# Altium PCB Wireless_Controller_V1.1.PcbDoc
Units mil, origin at the board's own origin, x right, y up, seen from the top; angles counter-clockwise.
Board outline 6910 x 2495 mil, 2 copper layers (Top Layer, Bottom Layer); 62 components, 73 nets, 286 pads, 9 vias.
Unrouted connection lines stored in the file: 2.
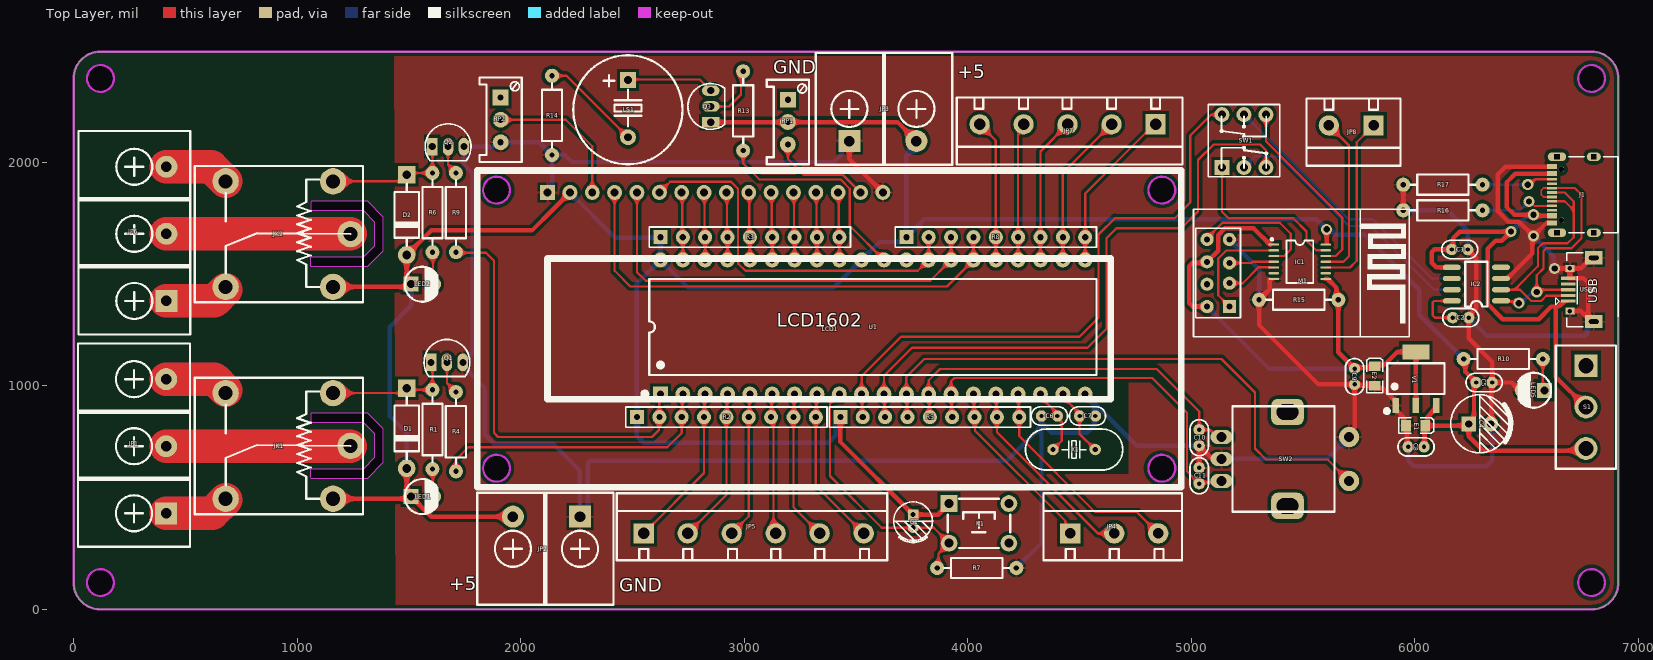
[diagram p0: Top Layer view]
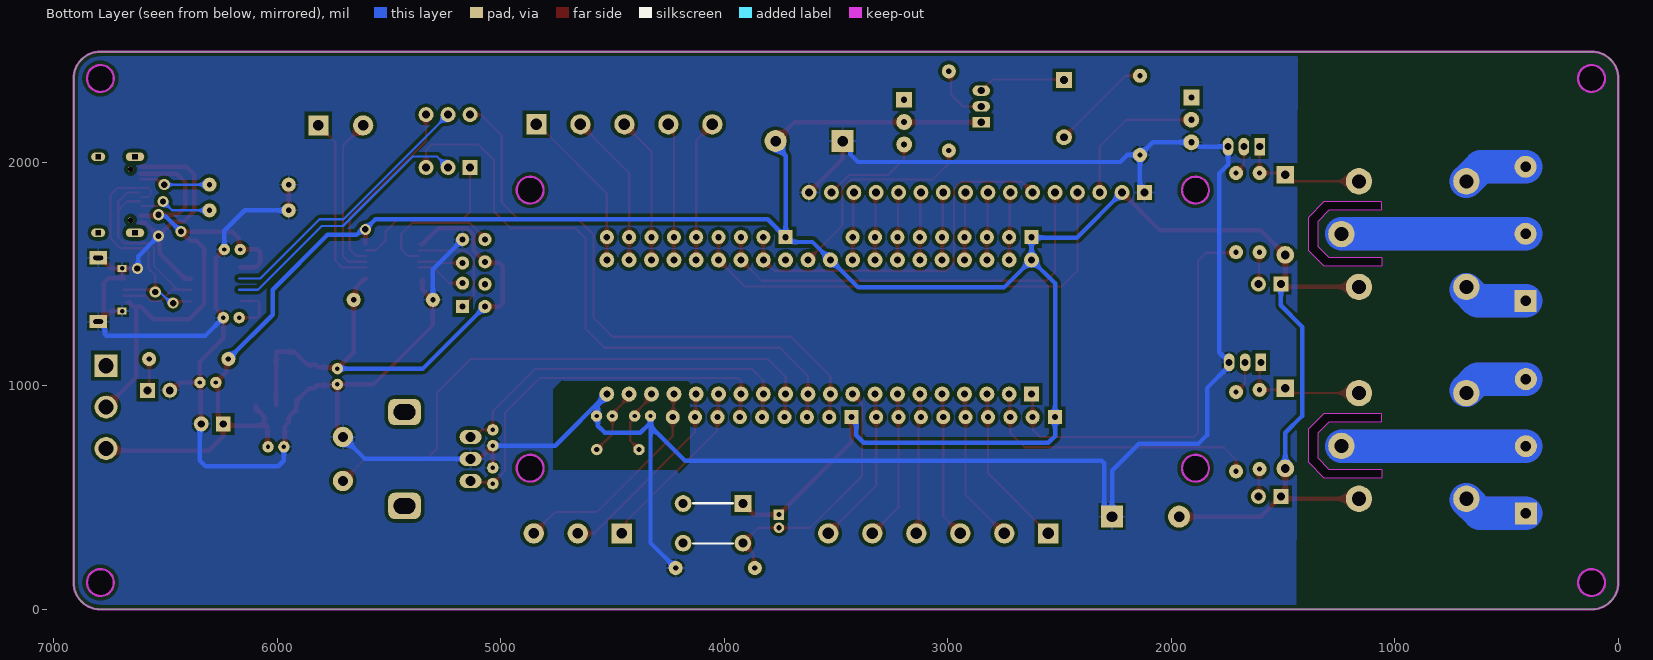
[diagram p1: Bottom Layer view, seen from below]

## Layer stack, top to bottom
Top Solder: solder mask 0.4, Solder Resist, Dk 3.5
Top Layer: signal copper 1.4
Dielectric 1: dielectric 12.6, FR-4, Dk 4.8
Bottom Layer: signal copper 1.4
Bottom Solder: solder mask 0.4, Solder Resist, Dk 3.5

## Board outline
0,120 0,2375 cw(c120,2375) 120,2495 6790,2495 cw(c6790,2375) 6910,2375 6910,120 cw(c6790,120) 6790,0 120,0 cw(c120,120)
cut-out: 4808.01,1875.71 ccw(c4868.01,1875.71) 4868.01,1815.71 ccw(c4868.01,1875.71) 4928.01,1875.71 ccw(c4868.01,1875.71) 4868.01,1935.71 ccw(c4868.01,1875.71)
cut-out: 4808.01,631.61 ccw(c4868.01,631.61) 4868.01,571.61 ccw(c4868.01,631.61) 4928.01,631.61 ccw(c4868.01,631.61) 4868.01,691.61 ccw(c4868.01,631.61)
cut-out: 1831.61,631.61 ccw(c1891.61,631.61) 1891.61,571.61 ccw(c1891.61,631.61) 1951.61,631.61 ccw(c1891.61,631.61) 1891.61,691.61 ccw(c1891.61,631.61)
cut-out: 1831.61,1875.71 ccw(c1891.61,1875.71) 1891.61,1815.71 ccw(c1891.61,1875.71) 1951.61,1875.71 ccw(c1891.61,1875.71) 1891.61,1935.71 ccw(c1891.61,1875.71)
cut-out: 60,120 ccw(c120,120) 120,60 ccw(c120,120) 180,120 ccw(c120,120) 120,180 ccw(c120,120)
cut-out: 120,2315 cw(c120,2375) 60,2375 cw(c120,2375) 120,2435 cw(c120,2375) 180,2375 cw(c120,2375)
cut-out: 6730,120 ccw(c6790,120) 6790,60 ccw(c6790,120) 6850,120 ccw(c6790,120) 6790,180 ccw(c6790,120)
cut-out: 6730,2375 ccw(c6790,2375) 6790,2315 ccw(c6790,2375) 6850,2375 ccw(c6790,2375) 6790,2435 ccw(c6790,2375)
cut-out: 1057.5,590.37 1060.43,587.44 1315,587.44 1385,657.44 1385,807.44 1315,877.44 1062.93,877.44 1060,874.51 1060,840.37 1062.93,837.44 1295,837.44 1345,787.44 1345,677.44 1295,627.44 1060.43,627.44 1057.5,624.51
cut-out: 1057.5,1537.93 1060.43,1535 1315,1535 1385,1605 1385,1755 1315,1825 1062.93,1825 1060,1822.07 1060,1787.93 1062.93,1785 1295,1785 1345,1735 1345,1625 1295,1575 1060.43,1575 1057.5,1572.07

## Design rules (kind name [scope] priority, off if disabled: settings)
Clearance Polygon [InPolygon] p1: gap=15 ignorepadtopadclearanceinfootprint=FALSE
Clearance [All] p2: gap=10 ignorepadtopadclearanceinfootprint=FALSE
PolygonConnect IsVia [IsVia] p1: connectstyle=Direct reliefconductorwidth=10 reliefentries=4 polygonreliefangle="90 Angle" airgapwidth=10
PolygonConnect [All] p2: connectstyle=Relief reliefconductorwidth=10 reliefentries=4 polygonreliefangle="90 Angle" airgapwidth=10
RoutingVias [All] p1: holewidth=28 width=50 viastyle="Through Hole" minholewidth=28 minwidth=50 maxholewidth=28 maxwidth=50
SolderMaskExpansion [All] p1: expansion=2.5 istentingtop=FALSE
Width Power [InNetClass('Power')] p1: maxlimit=60 minlimit=15 preferedwidth=20
Width [All] p2: maxlimit=10 minlimit=6 preferedwidth=10
30 further rules are at their usual default settings.

## Classes and differential pairs
net class Power: 3.3V +5 GND USB+

## Components (designator, comment, footprint, x,y, rotation, side; value= is the part's Value field where it differs from the comment)
C1 "10uF" "CAP 1.5*4*8" 3755,394.53 r270 top
C2 "104" "CC 1.8*3.6" 6205,1305 r180 top
C3 "104" "CC 1.8*3.6" 6200.43,1610 r180 top
C4 "470uF" "CAP 2.5*6.3*11.2 - BK" 6290,830 r0 top
C5 "104" "CC 1.8*3.6" 6309.57,1015 r180 top
C6 "22pf" "CC 1.8*3.6" 4365,865 r0 top
C7 "22pf" "CC 1.8*3.6" 4535.43,865 r180 top
C8 "104" "CC 1.8*3.6" 6005,727.17 r0 top
C9 "104" "CC 1.8*3.6" 5730,1041.73 r90 top
C10 "104" "CC 1.8*3.6" 5035,767.83 r90 top
C11 "104" "CC 1.8*3.6" 5035,597.83 r270 top
D1 "1N4007" DO-41 1490,810 r270 top
D2 "1N4007" DO-41 1490,1765 r270 top
E1 "10uF/6.3V" "CD S(2012)" 6003.31,822.17 r180 top
E2 "10uF/6.3V" "CD S(2012)" 5820,1043.86 r270 top
IC1 "TXS0104E" TSSOP14_L 5485,1555 r0 top
IC2 "CH340N_SOP8" SOP8 6384,1379 r180 top
J1 "Type-C" Type-C_16pin 6635.43,1854.92 r90 top
JK1 "SRD-05VDC-SL-C" SRD-C_B 1160.31,495 r180 top
JK2 "SRD-05VDC-SL-C" SRD-C_B 1160.31,1442.56 r180 top
JP1 "HDR-1X3" KF7620-3P 270,730 r90 top
JP2 "HDR-1X2" KF7620-2P 2115,271.3 r180 top
JP3 "HDR-1X2" KF7620-2P 3620,2238.7 r0 top
JP4 "HDR-1X3" KF301-5.0-3P 4655,340 r0 top
JP5 "HDR-1X6" KF301-5.0-6P 3042.13,340 r0 top
JP6 "HDR-1X3" KF7620-3P 271.3,1680 r90 top
JP7 "HDR-1X5" KF301-5.0-5P 4446.3,2170 r180 top
JP8 "HDR-1X2" KF301-5.0-2P 5615,2165 r180 top
K1 "KEY" "TSW DIP-6*6*5" 4050,385 r0 top
LCD1 "LCD1602" LCD-1602 2120,1865 r0 top
LED1 "红色" "LED 3MM-R" 1560,505 r0 top
LED2 "红色" "LED 3MM-R" 1560,1455 r0 top
LED5 "红色" "LED 3MM-R" 6530,980 r180 top
LS1 "BUZZ" "BEEP 6.5x12x8.5" 2480,2240 r180 top
M1 "ESP-01&01S Module" "ESP-01&01S Module" 5120,1504.72 r270 top
Q1 "SS8550" TO92A 1670,1105 r270 top
Q2 "SS8550" TO92A 1675,2070 r270 top
Q3 "SS8550" TO92A 2850,2250 r0 top
R1 "470" "RS 1/4W" 1605,805 r90 top
R2 "103" "R SIP9-2.54" 2920,860 r0 top
R3 "103" "R SIP9-2.54" 3025,1665 r0 top
R4 "470" "RS 1/4W" 1710,795 r270 top
R5 "103" "R SIP9-2.54" 3830,860 r0 top
R6 "470" "RS 1/4W" 1605,1775 r90 top
R7 "1k" "RS 1/4W" 4040,185 r0 top
R8 "103" "R SIP9-2.54" 4125,1665 r0 top
R9 "470" "RS 1/4W" 1710,1775 r270 top
R10 "470" "RS 1/4W" 6395,1120 r180 top
R13 "1k" "RS 1/4W" 2995,2230 r270 top
R14 "1k" "RS 1/4W" 2140,2210 r270 top
R15 "10K" "RS 1/4W" 5480,1385 r0 top
R16 "5.1K" "RS 1/4W" 6125,1785 r180 top
R17 "5.1K" "RS 1/4W" 6125,1900 r180 top
RP1 "10K" 3296W 3195,2180 r270 top
RP2 "10K" 3296W 1910,2190 r270 top
S1 "SS-12F23" SS-12D10 6765,904.96 r270 top
SW1 "KET 8X8" "KFT DIP-8X8" 5235,2095 r0 top
SW2 "EC11" EC11 5420,672.83 r180 top
U1 "STC89C52RC" DIP40-600_MH 3575,1263.27 r90 top
USB1 "USB-5P" USB-MICRO_A 6800,1430 r90 top
V1 "AMS1117-3V3" SOT223_L 6004.45,1032.17 r0 top
X1 "11.0592MHz" "OSC HC-49S" 4475.51,715 r0 top

## Footprints (in the part's own frame and the unit in brackets; to place one, negate y for a bottom-side part, rotate by r counter-clockwise, add the part's x,y. Pads: shape width x height; smd on the part's side, far side on the other; paste and mask are expansions set on the pad)
3296W [mm] "Precise Multi-Winding Adjustable Resistor"
  rect 1.8x1.8 hole 0.7: 1(-2.54,0)
  round 1.8 hole 0.7: 2(0,0) 3(2.54,0)
  silkscreen extent -4.8,-2.4 4.8,2.4, body extent -4.75,-2.4 4.75,2.4, height 11.52
"BEEP 6.5x12x8.5" [mm] "6.5*12*8.5mm(脚距,直径,高度)"
  rect 1.8x1.8 hole 0.9: 1(0,-3.25)
  round 1.8 hole 0.9: 2(0,3.25)
  silkscreen extent -6.18,-6.07 6.22,6.32, body extent -6,-6 6,6, height 8.55
"CAP 1.5*4*8" [mm] "脚距1.5mm直径4mm高度8mm https://item.taobao.com/item.htm?ft=t&id=613637044352"
  rect 1.2x1.2 hole 0.6: 1(-0.75,0)
  round 1.2 hole 0.6: 2(0.75,0)
  silkscreen extent -2.2,-2.2 2.41,2.2, body extent -2,-2 2.02,2, height 8.04
"CAP 2.5*6.3*11.2 - BK" [mm] "脚距2.5mm直径6.3mm高度11.2mm https://item.taobao.com/item.htm?ft=t&id=613637044352"
  rect 1.7x1.7 hole 0.8: 1(-1.25,0)
  round 1.7 hole 0.8: 2(1.25,0)
  silkscreen extent -3.3,-3.3 3.56,3.3, body extent -3.15,-3.15 3.16,3.15, height 11.24
"CC 1.8*3.6" [mm] "脚距1.8mm直径3.6mm"
  round 1.3 hole 0.5: 1(-0.9,0) 2(0.9,0)
  silkscreen extent -2.05,-1.04 2.05,1.04, body extent -1.8,-0.8 1.8,0.8, height 3.6
"CD S(2012)" [mm] "长2.0mm，宽1.25mm，厚1.2mm https://item.taobao.com/item.htm?ft=t&id=613637044352"
  rect 1.1x1.3 smd: 1(-1.1,0) 2(1.1,0)
  silkscreen extent -2.03,-0.89 1.9,0.89, body extent -1,-0.6 1,0.6, height 1.2
DIP40-600_MH [mm] "带底座 52*15.2*4mm(长宽高)"
  rect 1.7x1.7 hole 0.8: 1(-7.62,24.13)
  round 1.7 hole 0.8: 2(-7.62,21.59) 3(-7.62,19.05) 4(-7.62,16.51) 5(-7.62,13.97) 6(-7.62,11.43) 7(-7.62,8.89) 8(-7.62,6.35) 9(-7.62,3.81) 10(-7.62,1.27) 11(-7.62,-1.27) 12(-7.62,-3.81) 13(-7.62,-6.35) 14(-7.62,-8.89) 15(-7.62,-11.43) 16(-7.62,-13.97) 17(-7.62,-16.51) 18(-7.62,-19.05) 19(-7.62,-21.59) 20(-7.62,-24.13) 21(7.62,-24.13) 22(7.62,-21.59) 23(7.62,-19.05) 24(7.62,-16.51) 25(7.62,-13.97) 26(7.62,-11.43) 27(7.62,-8.89) 28(7.62,-6.35) 29(7.62,-3.81) 30(7.62,-1.27) 31(7.62,1.27) 32(7.62,3.81) 33(7.62,6.35) 34(7.62,8.89) 35(7.62,11.43) 36(7.62,13.97) 37(7.62,16.51) 38(7.62,19.05) 39(7.62,21.59) 40(7.62,24.13)
  silkscreen extent -7.87,-25.4 5.46,26.16, body extent -8.9,-26.18 8.9,26.18, height 8.3
DO-41 [mm] "2.6*9.1mm(直径，脚距）"
  rect 2x2 hole 1: 1(-4.55,0)
  round 2 hole 1: 2(4.55,0)
  silkscreen extent -3.56,-1.4 3.56,1.4, body extent -4.92,-1.29 4.98,1.31, height 2.65
EC11 [mm] "数字开关编码器"
  rrect50% 3.7x3 hole 1.8 slot 2.5 at 0 deg: 0(-0.254,5.334) 0(-0.254,-5.334)
  round 2.3 hole 1.1: 1(-7.25,2.5) 2(-7.25,-2.5)
  oval 2.5x1.6 hole 1.1: A(7.25,-2.5) B(7.25,2.5) C(7.25,0)
  silkscreen extent -5.59,-6 6,6, body extent -7.35,-6.24 7.45,6.24, height 22
"ESP-01&01S Module" [mm]
  rect 1.5x1.5 hole 0.7: 1(3.81,1.27)
  round 1.5 hole 0.7: 2(1.15,1.27) 3(-1.15,1.27) 4(-3.81,1.27) 5(3.81,-1.27) 6(1.27,-1.27) 7(-1.27,-1.27) 8(-3.81,-1.27)
  silkscreen extent -7.25,-2.79 7.25,21.71
KF301-5.0-2P [mm] "可拼接端子/6A"
  rect 2.3x2.3 hole 1.2: 1(-5.08,0)
  round 2.3 hole 1.2: 2(0,0)
  silkscreen extent -8.13,-3.05 2.54,4.57, body extent -7.95,-3 2.55,4.6, height 10.05
KF301-5.0-3P [mm] "可拼接端子/6A"
  rect 2.3x2.3 hole 1.2: 1(-5,0)
  round 2.3 hole 1.2: 2(0,0) 3(5,0)
  silkscreen extent -8.05,-3.05 7.7,4.57, body extent -7.87,-3 7.63,4.6, height 10.05
KF301-5.0-5P [mm] "可拼接端子/6A"
  rect 2.3x2.3 hole 1.3: 1(-10,0)
  round 2.3 hole 1.3: 2(-5,0) 3(0,0) 4(5,0) 5(10,0)
  silkscreen extent -13.05,-3.05 12.61,4.57, body extent -12.87,-3 12.55,4.6, height 10.05
KF301-5.0-6P [mm] "可拼接端子/6A"
  rect 2.3x2.3 hole 1.3: 1(-12.5,0)
  round 2.3 hole 1.3: 2(-7.5,0) 3(-2.5,0) 4(2.5,0) 5(7.5,0) 6(12.5,0)
  silkscreen extent -15.55,-3.05 15.19,4.57, body extent -15.37,-3 15.13,4.6, height 10.05
KF7620-2P [mm] "15.2*12*12mm(长宽高)"
  rect 2.5x2.5 hole 1.2: 1(-3.81,-3.65)
  round 2.5 hole 1.2: 2(3.81,-3.65)
  silkscreen extent -7.62,-6.35 7.87,6.35, body extent -7.62,-6.2 8.32,6.2, height 12.45
KF7620-3P [mm] "22.8*12*12mm(长宽高)"
  rect 2.5x2.5 hole 1.2: 1(-7.62,-3.65)
  round 2.5 hole 1.2: 2(0,-3.65) 3(7.62,-3.65)
  silkscreen extent -11.43,-6.35 11.68,6.35, body extent -11.43,-6.2 12.13,6.2, height 12.45
"KFT DIP-8X8" [mm] "自锁开关，规格：8*8mm"
  rect 1.7x1.7 hole 0.9: 1(-2.5,-3)
  round 1.7 hole 0.9: 2(0,-3) 3(2.5,-3) 4(2.5,3) 5(0,3) 6(-2.5,3)
  silkscreen extent -4.06,-4.06 4.06,4.15, body extent -3.95,-3.95 4.05,4.05, height 13.1
LCD-1602 [mm] "LCD module 16*2 char"
  rect 1.7x1.7 hole 0.9: 1(0,0)
  round 1.7 hole 0.9: 2(2.54,0) 3(5.08,0) 4(7.62,0) 5(10.16,0) 6(12.7,0) 7(15.24,0) 8(17.78,0) 9(20.32,0) 10(22.86,0) 11(25.4,0) 12(27.94,0) 13(30.48,0) 14(33.02,0) 15(35.56,0) 16(38.1,0)
  silkscreen extent -8,-33.5 72,2.5, body extent -8.15,-33.11 71.85,1.89, height 9
"LED 3MM-R" [mm] "红色3mm直插LED   https://item.taobao.com/item.htm?ft=t&id=613637044352"
  rect 1.7x1.7 hole 0.9: 1(-1.27,0)
  round 1.7 hole 0.9: 2(1.27,0)
  silkscreen extent -2.01,-2 1.72,1.98, body extent -1.95,-1.95 1.64,1.95, height 5.55
"OSC HC-49S" [mm]
  round 1.3 hole 0.6: 1(-2.4,0) 2(2.4,0)
  silkscreen extent -5.52,-2.32 5.52,2.33, body extent -5.52,-2.32 5.53,2.33, height 4.13
"R SIP9-2.54" [mm] "22.6mm*5mm*2.2mm(长*宽*厚)"
  rect 1.6x1.6 hole 0.7: 1(-10.16,0)
  round 1.6 hole 0.7: 2(-7.62,0) 3(-5.08,0) 4(-2.54,0) 5(0,0) 6(2.54,0) 7(5.08,0) 8(7.62,0) 9(10.16,0)
  silkscreen extent -11.43,-1.14 11.43,1.14, body extent -11.31,-0.96 11.31,0.96, height 5.2
"RS 1/4W" [mm] "直插色环电阻，脚距9mm，直径2.3mm  https://item.taobao.com/item.htm?ft=t&id=613637044352"
  round 1.6 hole 0.6: 1(-4.5,0) 2(4.5,0)
  silkscreen extent -3.68,-1.14 3.68,1.14, body extent -4.72,-1.16 4.73,1.16, height 2.32
SOP8 [mil] "https://item.taobao.com/item.htm?ft=t&id=613637044352"
  oval 80x24 smd: 1(-1,-1) 2(-1,-51) 3(-1,-101) 4(-1,-151) 5(219,-151) 6(219,-101) 7(219,-51) 8(219,-1)
  silkscreen extent 59,-176 159,24, body extent -4,-174 234,24, height 63
SOT223_L [mm] "6.4x7x1.6mm(长宽高)"
  rect 0.75x1.7 smd: 1(-2.3,-3.048) 2(0,-3.048) 3(2.3,-3.048)
  rect 3.1x1.7 smd: 2(0,3.048)
  silkscreen extent -3.5,-3.88 3.25,1.75, body extent -3.25,-3.51 3.25,3.51, height 1.65
SRD-C_B [mm] "单刀双投"
  round 3 hole 1.6: 1(0,0) 2(0,-12) 3(-2,-6) 4(12.2,0) 5(12.2,-12)
  silkscreen extent -3.4,-13.75 15.7,1.75, body extent -3.4,-13.75 15.7,1.75, height 15.6
SS-12D10 [mm] "脚距3mm"
  rect 2.595x2.595 hole 1.73: 1(-4.7,0)
  round 2.595 hole 1.73: 2(0,0) 3(4.7,0)
  silkscreen extent -7,-3.43 7,3.43, body extent -7,-3.1 7,3.1, height 9.65
TO92A [mm] "92晶体管"
  rect 2x1.2 hole 0.8: 1(0,-1.8)
  oval 2x1.2 hole 0.8: 2(0,0) 3(0,1.8)
  silkscreen extent -2.6,-2.6 1.6,2.6, body extent -2.3,-2.3 1.3,2.3, height 7.6
TSSOP14_L [mm] "5*6.4*1mm（长宽高）"
  rect 1.2x0.25 smd: 1(-2.95,1.95)
  oval 1.2x0.25 smd: 2(-2.95,1.3) 3(-2.95,0.65) 4(-2.95,0) 5(-2.95,-0.65) 6(-2.95,-1.3) 7(-2.95,-1.95) 8(2.95,-1.95) 9(2.95,-1.3) 10(2.95,-0.65) 11(2.95,0) 12(2.95,0.65) 13(2.95,1.3) 14(2.95,1.95)
  silkscreen extent -3.3,-2.41 1.52,2.67, body extent -3.2,-2.5 3.2,2.5, height 1.03
"TSW DIP-6*6*5" [mm] "6*6*5mm"
  rect 1.9x1.9 hole 1: 1(-3.4,2.25)
  round 1.9 hole 1: 2(-3.4,-2.25) 3(3.4,-2.25) 4(3.4,2.25)
  silkscreen extent -3.56,-2.79 3.56,2.79, body extent -4.11,-3 4.11,3, height 4.95
Type-C_16pin [mm]
  oval 1x1.6 hole 0.6 square: 0(-4.32,-4.18) 0(4.32,-4.18)
  oval 1x2.1 hole 0.6 square: 0(-4.32,0) 0(4.32,0)
  rect 0.6x1.14 smd: 1(-3.2,0.57) 2(-2.4,0.57) 11(2.4,0.57) 12(3.2,0.57)
  rect 0.3x1.14 smd: 3(-1.75,0.57) 4(-1.25,0.57) 5(-0.75,0.57) 6(-0.25,0.57) 7(0.25,0.57) 8(0.75,0.57) 9(1.25,0.57) 10(1.75,0.57)
  round 0.65 hole 0.65: 13(-2.89,-0.5) 13(2.89,-0.5)
  silkscreen extent -4.32,-6.93 4.32,-1.34, body extent -4.45,-6.67 4.45,0.89, height 3.33
USB-MICRO_A [mm] "micro型USB ，5.7*7.8*2.5mm"
  rect 0.35x1.6 smd: 1(-1.3,2.9) 2(-0.65,2.9) 3(0,2.9) 4(0.65,2.9) 5(1.3,2.9)
  rect 1.5x2 hole 0.5 slot 1.1 at 90 deg: 5(-3.625,0) 5(3.625,0)
  rect 0.8x1 hole 0.5: 5(-2.425,2.71) 5(2.425,2.71)
  silkscreen extent -4.19,-2.79 4.19,4.3, body extent -4,-2.71 4,2.89, height 2.8

## Part data
C1 C4: library part CE, "直插电解电容", BOM名称=直插电解电容, 下单链接=https://item.taobao.com/item.htm?ft=t&id=613637044352, 淘宝ID=小糖豆的小窝窝
C2 C3 C5 C6 C7 C8 C9 C10 C11: library part CC, "瓷片电容", BOM名称=瓷片电容, 下单链接=https://item.taobao.com/item.htm?ft=t&id=613637044352, 淘宝ID=小糖豆的小窝窝
D1 D2: "整流二极管", BOM名称=整流二极管, 下单链接=https://item.taobao.com/item.htm?ft=t&id=613637044352, 淘宝ID=小糖豆的小窝窝
E1 E2: library part CT, "贴片钽电容", BOM名称=贴片钽电容, 下单链接=https://item.taobao.com/item.htm?ft=t&id=613637044352, 淘宝ID=小糖豆的小窝窝
IC1: "TXS0104E_TSSOP(14pin)"
IC2: "USB转串口芯片"
J1: library part Type-C_16pin
JK1 JK2: "继电器  5V一组转换", BOM名称="继电器  5V一组转换", 下单链接=https://item.taobao.com/item.htm?ft=t&id=613637044352, 淘宝ID=小糖豆的小窝窝
JP1 JP4 JP6: library part "Header 3", "3P接插件", BOM名称=3P接插件, 下单链接=https://item.taobao.com/item.htm?ft=t&id=613637044352, 淘宝ID=小糖豆的小窝窝
JP2 JP3 JP8: library part "Header 2", "2P接插件", BOM名称=2P接插件, 下单链接=https://item.taobao.com/item.htm?ft=t&id=613637044352, 淘宝ID=小糖豆的小窝窝
JP5: library part "Header 6", "6P接插件", BOM名称=6P接插件, 下单链接=https://item.taobao.com/item.htm?ft=t&id=613637044352, 淘宝ID=小糖豆的小窝窝
JP7: library part "Header 5", "5P接插件", BOM名称=5P接插件, 下单链接=https://item.taobao.com/item.htm?ft=t&id=613637044352, 淘宝ID=小糖豆的小窝窝
K1: "四角直插开关", BOM名称=四角直插开关, 下单链接=https://item.taobao.com/item.htm?ft=t&id=613637044352, 淘宝ID=小糖豆的小窝窝
LED1 LED2 LED5: library part LED-3MM, "插件LED", BOM名称=插件LED, 下单链接=https://item.taobao.com/item.htm?ft=t&id=613637044352, 淘宝ID=小糖豆的小窝窝
LS1: "蜂鸣器", BOM名称=蜂鸣器, 下单链接=https://item.taobao.com/item.htm?ft=t&id=613637044352, 淘宝ID=小糖豆的小窝窝
Q1 Q2 Q3: library part 8550-DIP, "高频放大-PNP型", BOM名称=高频放大-PNP型, 下单链接=https://item.taobao.com/item.htm?ft=t&id=613637044352
R1 R4 R6 R7 R9 R10 R13 R14 R15 R16 R17: library part Res, "色环电阻", BOM名称=色环电阻, 下单链接=https://item.taobao.com/item.htm?ft=t&id=613637044352, 淘宝ID=小糖豆的小窝窝
R2 R3 R5 R8: library part "R SIP9", "9脚直插排阻", BOM名称=9脚直插排阻, 下单链接=https://item.taobao.com/item.htm?ft=t&id=613637044352, 淘宝ID=小糖豆的小窝窝
RP1 RP2: library part RP, "单联电位器", BOM名称=单联电位器, 下单链接=https://item.taobao.com/item.htm?ft=t&id=613637044352, 淘宝ID=小糖豆的小窝窝
S1: library part SSW-1P, "1路波动开关", BOM名称=1路波动开关, 下单链接=https://item.taobao.com/item.htm?ft=t&id=613637044352, 淘宝ID=小糖豆的小窝窝
SW1: "8*8自锁开关", BOM名称=8*8自锁开关, 下单链接=https://item.taobao.com/item.htm?ft=t&id=613637044352, 淘宝ID=小糖豆的小窝窝
SW2: library part SW-EC11, "数字开关编码器", BOM名称=数字开关编码器, 下单链接=https://item.taobao.com/item.htm?ft=t&id=613637044352, 淘宝ID=小糖豆的小窝窝
U1: "STC单片机", Alias1=https://item.taobao.com/item.htm?ft=t&id=613637044352, BOM名称=STC单片机, 淘宝ID=小糖豆的小窝窝
USB1: "微型USB母座", BOM名称=微型USB母座, 下单链接=https://item.taobao.com/item.htm?ft=t&id=613637044352, 淘宝ID=小糖豆的小窝窝
V1: library part AMS1117, "三端稳压芯片", BOM名称=三端稳压芯片, 下单链接=https://item.taobao.com/item.htm?ft=t&id=613637044352, 淘宝ID=小糖豆的小窝窝
X1: library part XTAL-2P, "2脚无源脚晶振", BOM名称=2脚无源脚晶振, 下单链接=https://item.taobao.com/item.htm?ft=t&id=613637044352, 淘宝ID=小糖豆的小窝窝
LCD1: BOM名称="LCD 1602", 下单链接=https://item.taobao.com/item.htm?ft=t&id=613637044352, 淘宝ID=小糖豆的小窝窝

## Via types
v1: diameter 50, hole 28, Top Layer to Bottom Layer, 9 vias

## Nets (pads, with @x,y where several pads share a name; then routed paths per layer and width w, separated by ;. In a path a pad name is that pad's centre, name@x,y a point inside that pad or via, vN(x,y) a via of type N, cw(c..) or ccw(c..) an arc to the next point about the centre after c; other vN are vias at no path point)
3.3V: C9.2 E2.1 IC1.1 IC1.8 M1.5 M1.7 R15.2 V1.2 | length 2525.4
  Top Layer w20: M1.5 5005.28,1354.72 4990,1370 4990,1535 5005,1550 5065,1550 M1.7@5070,1555 ; M1.7 5119.53,1604.25 5119.53,1674.29 5149.49,1704.25 5279.05,1704.25 IC1.1@5352.2,1631.1 ; IC1.8 5609.69,1478.23 5648.94,1438.97 5648.94,1396.06 5657.17,1387.83 R15.2 5657.17,1150 C9.2@5728.58,1078.58 ; C9.2 C9.2@5728.58,1078.58 ; V1.2@6004.45,912.17 V1.2@6004.45,1145.55 ; V1.2@6004.45,1152.17 5922.17,1152.17 5863.42,1093.42 5826.25,1093.42 5815,1082.17 5732.17,1082.17 C9.2@5728.58,1078.58
  Bottom Layer w20: M1.5 5347.56,1077.17 5722.17,1077.17 C9.2@5725,1080
+5: C1.1 C4.1 C5.2 C8.2 D1.2 D2.2 E1.1 IC1.14 JK1.1 JK2.1 JP2.2 JP3.2 K1.1 LCD1.2 LED1.1 LED2.1 Q3.1 R2.1 R3.1 R5.1 R8.1 R10.2 RP1.2 S1.3 U1.31 U1.40 V1.3 | length 13271.6
  Top Layer w10: JK1.1 JK1.1@1167.81,487.5
  Top Layer w20: JK1.1 1495,495 LED1.1@1505,505 ; JK2.1 1497.56,1442.56 LED2.1 1490,1475 1490,1580 D2.2@1495,1585 ; D1.2 1490,528.46 1508.46,510 LED1.1@1515,510 ; D2.2 1599.13,1695 2050,1695 2145.51,1790.51 2216.58,1861.58 LCD1.2@2221.72,1861.58 ; LED1.1 1600,415 1955,415 JP2.2@1960,410 ; Q3.1 2850.43,2179.57 3194.57,2179.57 RP1.2 3685,2180 3755,2110 JP3.2@3755,2095 ; R5.1 3430,749.06 3754.06,425 C1.1@3755,425 ; C1.1 3866.61,424.06 3910,467.44 K1.1@3910,470 ; 5605,1636.85 v1(5605,1700) ; C8.2 6043.52,730.26 6043.52,813.52 E1.1@6050,820 ; E1.1@6046.61,826.1 E1.1 ; V1.3@6095,910 6095,893.47 6090.24,888.7 6083.7,888.7 6056.73,861.73 6056.73,832.28 E1.1 ; R10.2@6220,1120 6226.06,1113.94 6226.06,1063.07 C5.2 ; C4.1@6240,830 6232.17,822.17 E1.1 ; C5.2@6275,1015 6275,1007.43 6264.25,996.68 6264.25,853.46 C4.1 6240.79,774.21 6305,710 6755.08,710 S1.3@6760.08,715
  Bottom Layer w20: D1.2 1490,790 1415,865 1415,1265 1510,1360 LED2.1 ; LCD1.2 2421.9,1663.1 R3.1@2625,1663.1 ; R3.1 R3.1@2625,1663.1 ; 2765,745 2550,745 2520,775 R2.1 2520,1458.27 U1.40 ; 2770,745 3375,745 3408.5,778.5 3408.5,838.5 R5.1 ; U1.31@3520,1565 3520,1560 3400,1440 2748.27,1440 U1.40 ; U1.31 3605.24,1643.5 3703.5,1643.5 R8.1 ; JP3.2@3770,2100 JP3.2 3770,2073.78 3725,2028.78 R8.1 ; v1(5605,1700) 5560,1745 3805,1745 R8.1 ; v1@5620,1700 5645,1675 5775,1675 6020,1430 6020,1317.83 R10.2 ; U1.40 R3.1@2625,1663.1
E: LCD1.6 R8.2 U1.28 | length 1707.6
  Top Layer w10: LCD1.6 2668.46,1913.46 2940.07,1913.46 2971.54,1882 2971.54,1585.27 2973.46,1583.34 2973.46,1546.26 3004.93,1514.8 3776.54,1514.8 U1.28 R8.2
GND: C2.1 C3.1 C4.2 C5.1 C6.1 C7.1 C8.1 C9.1 C10.1 C11.1 E1.2 E2.2 IC1.7 IC2.3 J1.1 J1.12 JP2.1 JP3.1 LCD1.1 LCD1.16 LED5.2 M1.4 Q1.3 Q2.3 R7.2 R14.2 R15.1 R16.2 R17.2 RP2.3 SW2.2 SW2.C U1.20 USB1.5 V1.1 | length 15551.8
  Top Layer w20: JP3.1 3470,2015 LCD1.16 LCD1.16@3625,1865 ; C11.1@5035,635 C10.1 5086.34,681.06 5123.94,681.06 SW2.C@5130,675 ; IC1.7@5350,1475 5350,1432.17 R15.1 5302.83,1272.17 5568.7,1006.3 C9.1@5726.3,1006.3 ; SW2.2 5705.43,790.35 5730,814.92 5730,995 C9.1@5735,1000 ; C9.1 5732.87,1003.43 5821.57,1003.43 E2.2@5825,1000 ; E2.2@5823.94,1000.55 E2.2 5831.65,988.9 5855.87,988.9 5915,929.76 V1.1@5915,910 ; V1.1 5913.9,893.47 5948.35,859.02 5948.35,836.65 E1.2@5960,825 ; R16.2@5945,1790 5947.83,1792.83 R17.2 ; E1.2 5964.78,817.38 5964.78,730.22 C8.1@5970,725 ; C3.1 6235.87,1609.65 6275,1570.52 6275,1348 6240,1313 C2.1@6240,1300 ; C2.1 6240.43,1212.28 6345,1107.72 C5.1@6345,1020 ; C4.2 6342.11,832.89 6342.11,1007.11 C5.1@6345,1010 ; C5.1 6432.3,1015 6467.3,980 LED5.2 LED5.2@6485,980 ; IC2.3 6413,1480 6525,1592 v1@6525,1665 ; v1@6535,1670 v1(6530,1670) ; 6588.62,1730 6611.93,1730 J1.1 ; J1.1@6595,1728.62 6588.62,1728.62 v1(6530,1670) ; J1.12 6405.91,1980.91 6370,1945 6370,1781.72 6416.72,1735 6465,1735 v1(6530,1670) ; v1(6625,1525) 6625.24,1525.24 6693.07,1525.24 6693.31,1525.47 6693.39,1525.55 6742.99,1525.55 6782.44,1565 USB1.5@6785,1565 ; USB1.5@6685.83,1481.18 USB1.5@6690.2,1481.18 ; USB1.5@6690,1525 6693.31,1521.69 6693.31,1484.29 USB1.5@6690.2,1481.18 ; USB1.5@6693.31,1334.53 6693.78,1335 6742.44,1335 6787.44,1290 USB1.5@6790,1290 ; USB1.5@6790,1305 6776.81,1305 6775,1306.81 6775,1460 6753.82,1481.18 USB1.5@6690.2,1481.18
  Bottom Layer w20: Q1.3 1740.87,1089.25 1840,990.12 1840,780 1880,740 2145,740 2265,620 JP2.1@2265,425 ; Q1.3@1760,1125 1785,1150 1785,1949.99 1745.87,1989.13 Q2.3 1876.24,2070 1896.24,2090 RP2.3 2082.83,2090 R14.2 ; LCD1.1@2115,1865 2116.54,1865 2140,1888.46 R14.2 ; JP2.1 2300,450 2300,653.28 2311.72,665 4175,665 4329.57,819.57 ; JP3.1@3435,2055 3435,2035 3401.34,2001.34 2228.66,2001.34 2197.17,2032.83 R14.2 ; R7.2 4329.57,297.4 4329.57,819.57 ; C6.1 4334.09,860.47 C6.1@4334.09,859.09 ; 4330,820 4329.57,819.57 ; C6.1@4335,860 C6.1@4334.09,859.09 ; 4337.5,827.5 4375,790 4533.28,790 4564.9,821.62 4564.9,854.9 C7.1@4572.5,862.5 ; C7.1@4565,870 4564.9,870.1 4564.9,913.42 4525,953.32 U1.20 4755.87,732.4 C10.1 5037.6,732.4 C10.1@5040,730 ; SW2.C 5607.01,672.83 SW2.2 5709.17,775 SW2.2@5715,775 ; M1.4 5302.83,1521.89 5302.83,1387.83 R15.1@5300,1385 ; R16.2 6145,1785 6235.87,1694.13 6235.87,1619.13 C3.1@6240,1615 ; C8.1 5969.57,665.43 5995,640 6320,640 6345,665 C4.2@6345,830 ; C2.1 6320.43,1225 6763.28,1225 6770.63,1232.35 6770.63,1267.76 6782.87,1280 USB1.5@6785,1280 ; v1(6530,1670) 6620,1580 6620,1530 v1(6625,1525) ; 4329.57,819.57 4329.57,854.57 C6.1@4334.09,859.09
NetC1_2: C1.2 K1.2 R7.1 U1.9 | length 1174.4
  Top Layer w10: U1.9 3383.5,921.77 3383.5,596.5 3615,365 C1.2 3847.56,365 K1.2 3868.76,249.03 3868.76,190.92 R7.1
NetC2_2: C2.2 IC2.8 | length 240.3
  Top Layer w10: IC2.8 6085.86,1380 6080,1374.14 6080,1315 6090,1305 C2.2
NetC6_2: C6.2 U1.18 X1.1 | length 303.8
  Top Layer w10: U1.18 4325,951.58 4400.43,876.14 4400.43,857 4420,837.43 4420,753.98 X1.1
NetC7_2: C7.2 U1.19 X1.2 | length 308.3
  Top Layer w10: U1.19 4425,951.14 4500,876.14 C7.2 4500,785 X1.2
NetC10_2: C10.2 R5.5 SW2.A U1.13 | length 1671
  Top Layer w10: R5.5 3827.5,862.5 3827.5,960.77 U1.13 3825,1025 3875,1075 4845,1075 5035,885 C10.2 5083.1,803.27 5115.11,771.26 SW2.A
NetC11_2: C11.2 R5.6 SW2.B U1.14 | length 1732.4
  Top Layer w10: R5.6 3927.5,862.5 3927.5,960.77 U1.14 3925,1020 3940,1035 4825,1035 4980,880 4980,617.4 C11.2 5041,568.4 5128.56,568.4 SW2.B
NetD1_1: D1.1 JK1.2 Q1.1 R1.2 | length 581.8
  Top Layer w10: JK1.2 1468.31,967.44 D1.1 1496.97,982.17 R1.2 1605,1099.13 Q1.1
NetD2_1: D2.1 JK2.2 Q2.1 R6.2 | length 578.3
  Top Layer w10: JK2.2 1460.87,1915 D2.1 1498.03,1952.17 R6.2 1605,2069.13 Q2.1
NetIC1_2: IC1.2 M1.1 | length 500.1
  Top Layer w10: M1.1 5120,1404.72 5120,1569.37 5155.63,1605 IC1.2@5370,1605
NetIC1_3: IC1.3 M1.8 | length 587.5
  Top Layer w10: M1.8@5070,1655 5070,1660.12 5139.13,1729.25 5395.75,1729.25 5445,1680 5445,1610 5415.59,1580.59 IC1.3
NetIC1_4: IC1.4 M1.3 | length 200.9
  Top Layer w10: M1.3 5270,1550 5275,1555 IC1.4
NetIC1_5: IC1.5 M1.2 | length 228.3
  Top Layer w10: M1.2 5229.45,1459.45 5300,1530 5349.72,1530 5350.31,1529.41 IC1.5
NetIC1_10: IC1.10 JP8.1 | length 787.6
  Top Layer w10: IC1.10 5709.41,1529.41 5740,1560 5740,2090 JP8.1
NetIC1_11: IC1.11 JP8.2 | length 736.5
  Top Layer w10: IC1.11 5680,1555 5705,1580 5705,2075 JP8.2
NetIC1_12: IC1.12 SW1.4 | length 830.6
  Top Layer w10: SW1.4 5333.43,2094.64 5675,1753.07 5675,1610 5645.59,1580.59 IC1.12
NetIC1_13: IC1.13 SW1.1 | length 757.8
  Top Layer w10: SW1.1 5136.57,1778.43 5165.75,1749.25 5455.75,1749.25 5515,1690 5515,1650 5558.82,1606.18 IC1.13
NetIC2_1: IC2.1 J1.6 J1.8 USB1.3 | length 1169.3
  Top Layer w8: J1.6@6610,1845 6575,1845 6565,1855 6565,1875 6575,1885 J1.8@6615,1885 ; J1.8@6625,1885 6715,1885
  Top Layer w10: IC2.1 6387.68,1377.32 6457.68,1377.32 v1(6465,1370) ; USB1.3 6565.82,1430 6555.82,1420 v1(6545,1420) 6545,1495 6575,1525 6575,1602.5 6587.5,1615 6700,1615 6745,1660 6745,1855 6715,1885
  Bottom Layer w10: v1(6465,1370) 6475,1370 6517.35,1412.35 6537.35,1412.35 v1(6545,1420)
NetIC2_2: IC2.2 J1.5 J1.7 USB1.2 | length 1128.1
  Top Layer w10: IC2.2 6445,1430 ; J1.5 6669.61,1825.39 6710,1785 ; J1.7 6670.24,1864.76 6710,1825 6710,1785 ; USB1.2 6683.94,1402.52 6587.52,1402.52 6565,1380 6520,1380 6470,1430 6445,1430 ; 6445,1430 6550,1535 6550,1615 6572.5,1637.5 6682.5,1637.5 6710,1665 6710,1785
NetIC2_6: IC2.6 SW1.5 | length 1254.1
  Top Layer w10: SW1.5 SW1.5@5245.89,2224
  Bottom Layer w10: SW1.5 5703.11,1745 5810,1745 6075,1480 6170,1480
NetIC2_7: IC2.7 SW1.2 | length 1201.7
  Bottom Layer w10: SW1.2 5283.46,2025.35 5394.26,2025.35 5704.61,1715 5800,1715 6085,1430 6170,1430
NetJ1_4: J1.4 R16.1 | length 327.7
  Top Layer w8: v1@6515,1825 6535,1805 J1.4@6610,1805
  Bottom Layer w10: R16.1 6470,1785 v1(6510,1825)
NetJ1_10: J1.10 R17.1 | length 318.8
  Top Layer w10: v1@6513.93,1900 6537.75,1923.82 J1.10
  Bottom Layer w10: R17.1 v1(6505,1900) v1@6510,1905
NetJK1_3: JK1.3 JP1.2 | length 1650
  Top Layer w150: JP1.2 JK1.3@1237.84,730
  Bottom Layer w10: JP1.2 JP1.2@414.31,730.61 ; JK1.3@1238.45,730.61 JK1.3
  Bottom Layer w150: JP1.2 JK1.3@1237.84,730
NetJK1_4: JK1.4 JP1.1 | length 582.3
  Top Layer w150: JP1.1 620,430 JK1.4@680,490
  Bottom Layer w150: JP1.1 620,430 JK1.4@680,490
NetJK1_5: JK1.5 JP1.3 | length 574
  Top Layer w150: JP1.3 630,1030 JK1.5@680,980
  Bottom Layer w150: JP1.3 630,1030 JK1.5@680,980
NetJK2_3: JK2.3 JP6.2 | length 1645.7
  Top Layer w150: JP6.2 JK2.3@1237.84,1680
  Bottom Layer w150: JP6.2 JK2.3@1237.84,1680
NetJK2_4: JK2.4 JP6.1 | length 571.4
  Top Layer w150: JP6.1 630,1380 JK2.4@680,1430
  Bottom Layer w150: JP6.1 630,1380 JK2.4@680,1430
NetJK2_5: JK2.5 JP6.3 | length 583.8
  Top Layer w150: JP6.3 615,1980 JK2.5
  Bottom Layer w150: JP6.3 615,1980 JK2.5
NetJP4_1: JP4.1 R5.7 U1.15 | length 802.7
  Top Layer w10: U1.15 4027.5,960.77 4027.5,862.5 R5.7 4031.53,858.47 4031.53,800.31 4437.42,394.42 4437.42,360.73 JP4.1
NetJP4_2: JP4.2 R5.8 U1.16 | length 885.5
  Top Layer w10: U1.16 4127.5,960.77 4127.5,862.5 R5.8 4130,792.11 4582.11,340 JP4.2
NetJP4_3: JP4.3 R5.9 U1.17 | length 992
  Top Layer w10: U1.17 4227.5,960.77 4227.5,862.5 R5.9 4230,775.56 4570.47,435.08 4756.77,435.08 JP4.3
NetJP5_1: JP5.1 R2.4 U1.3 | length 737.2
  Top Layer w10: JP5.1 2820,610 R2.4 2822.5,862.5 2822.5,960.77 U1.3
NetJP5_2: JP5.2 R2.5 U1.4 | length 697.1
  Top Layer w10: JP5.2 2920,513.15 R2.5 2922.5,862.5 2922.5,960.77 U1.4
NetJP5_3: JP5.3 R2.6 U1.5 | length 656.9
  Top Layer w10: JP5.3 3020,416.3 R2.6 3022.5,862.5 3022.5,960.77 U1.5
NetJP5_4: JP5.4 R2.7 U1.6 | length 633.9
  Top Layer w10: U1.6 3122.5,960.77 3122.5,862.5 R2.7 3130.14,849.86 3130.14,350.41 JP5.4
NetJP5_5: JP5.5 R2.8 U1.7 | length 674
  Top Layer w10: U1.7 3222.5,960.77 3222.5,862.5 R2.8 3220,457.4 JP5.5
NetJP5_6: JP5.6 R2.9 U1.8 | length 714.1
  Top Layer w10: U1.8 3322.5,960.77 3322.5,862.5 R2.9 3320,554.25 JP5.6
NetJP7_1: JP7.1 R8.9 U1.21 | length 740.5
  Top Layer w10: U1.21 R8.9 4525,1860.56 4794.16,2129.72 4799.72,2129.72 JP7.1
NetJP7_2: JP7.2 R8.8 U1.22 | length 697.1
  Top Layer w10: U1.22 R8.8 4425,1951.85 JP7.2
NetJP7_3: JP7.3 R8.7 U1.23 | length 657
  Top Layer w10: U1.23 R8.7 4325,2048.7 JP7.3
NetJP7_4: JP7.4 R8.6 U1.24 | length 616.9
  Top Layer w10: U1.24 R8.6 4225,2123.87 4249.45,2148.31 JP7.4
NetJP7_5: JP7.5 R8.5 U1.25 | length 636.7
  Top Layer w10: JP7.5 4125,2097.6 R8.5 U1.25
NetLCD1_3: LCD1.3 RP2.2 | length 665.8
  Top Layer w10: RP2.2 2201.93,2190 2320,2071.93 LCD1.3
NetLCD1_7: LCD1.7 R3.2 U1.39 | length 303.8
  Top Layer w10: LCD1.7 2722.5,1862.5 2722.5,1667.5 R3.2 U1.39
NetLCD1_8: LCD1.8 R3.3 U1.38 | length 303.8
  Top Layer w10: LCD1.8 2822.5,1862.5 2822.5,1667.5 R3.3 U1.38
NetLCD1_9: LCD1.9 R3.4 U1.37 | length 303.8
  Top Layer w10: LCD1.9 2922.5,1862.5 2922.5,1667.5 R3.4 U1.37
NetLCD1_10: LCD1.10 R3.5 U1.36 | length 303.8
  Top Layer w10: LCD1.10 3022.5,1862.5 3022.5,1667.5 R3.5 U1.36
NetLCD1_11: LCD1.11 R3.6 U1.35 | length 303.8
  Top Layer w10: LCD1.11 3122.5,1862.5 3122.5,1667.5 R3.6 U1.35
NetLCD1_12: LCD1.12 R3.7 U1.34 | length 303.8
  Top Layer w10: LCD1.12 3222.5,1862.5 3222.5,1667.5 R3.7 U1.34
NetLCD1_13: LCD1.13 R3.8 U1.33 | length 303.8
  Top Layer w10: LCD1.13 3322.5,1862.5 3322.5,1667.5 R3.8 U1.33
NetLCD1_14: LCD1.14 R3.9 U1.32 | length 303.8
  Top Layer w10: LCD1.14 3422.5,1862.5 3422.5,1667.5 R3.9 U1.32
NetLCD1_15: LCD1.15 RP1.3 | length 451.8
  Top Layer w10: RP1.3 3195,2015.62 3267.04,1943.58 3441.42,1943.58 LCD1.15
NetLED1_2: LED1.2 R1.1 | length 124.9
  Top Layer w10: R1.1 1607.5,625.33 1607.5,507.5 LED1.2
NetLED2_2: LED2.2 R6.1 | length 152
  Top Layer w10: R6.1 1607.5,1595.33 1607.5,1457.5 LED2.2 LED2.2@1615,1460
NetLED5_1: LED5.1 R10.1 | length 143.2
  Top Layer w10: R10.1 6572.17,987.83 LED5.1
NetLS1_1: LS1.1 Q3.3 | length 394.5
  Top Layer w10: LS1.1 2482.05,2370 2800.87,2370 2827.13,2343.74 2827.13,2338.07 2844.33,2320.87 Q3.3
NetLS1_2: LS1.2 R14.1 | length 454
  Top Layer w10: R14.1 2204.88,2387.17 LS1.2
NetQ1_2: Q1.2 R4.1 | length 149.4
  Top Layer w10: Q1.2 1670,1012.17 R4.1
NetQ2_2: Q2.2 R9.1 | length 132.3
  Top Layer w10: Q2.2 1675,1990 1710,1955 R9.1
NetQ3_2: Q3.2 R13.1 | length 265.1
  Top Layer w10: Q3.2 2931.8,2250 2984.86,2303.06 2984.86,2397.03 R13.1
NetR2_2: R2.2 R9.2 U1.1 | length 1878.2
  Top Layer w10: R9.2 1712.83,1595 1845,1595 1880,1560 1880,790 1898.7,771.3 2587.1,771.3 2618.39,802.59 2618.39,858.39 R2.2 2620,958.27 U1.1
NetR2_3: R2.3 R4.2 U1.2 | length 1287.7
  Top Layer w10: R4.2 1710,670 1765,725 2655.81,725 2720,789.19 R2.3 2722.5,862.5 2722.5,960.77 U1.2
NetR5_2: R5.2 SW1.6 U1.10 | length 2676.3
  Top Layer w10: R5.2 3527.5,862.5 3527.5,960.77 U1.10 3525,1044.33 3700.67,1220 4500,1220 4585,1305 4585,1676.72 4659.14,1750.86 4660,1750 4925,1750 4995,1820 4995,2120 5088.11,2213.11 SW1.6
NetR5_3: R5.3 SW1.3 U1.11 | length 2784
  Top Layer w10: R5.3 3627.5,862.5 3627.5,960.77 U1.11 3625,1044.73 3750.27,1170 4535,1170 4620,1255 4620,1660 4665,1705 4955,1705 5030,1780 5030,2010 5100,2080 5307.57,2080 5333.43,2054.14 SW1.3
NetR5_4: R5.4 SW2.1 U1.12 | length 2568.1
  Top Layer w10: R5.4 3727.5,862.5 3727.5,960.77 U1.12 3725,1040 3805,1120 5135,1120 5285,970 5285,720 5335,670 5609.84,670 SW2.1
P4.5: R13.2 U1.30 | length 963.4
  Top Layer w10: R13.2 2995,1995.13 3066.55,1923.58 3429.96,1923.58 3471.54,1882 3471.54,1716.73 U1.30
R/W: LCD1.5 R8.3 U1.27 | length 1947.5
  Top Layer w10: LCD1.5 2520,1508.42 2558.78,1469.64 3831.38,1469.64 3909.27,1547.54 3909.27,1579 3914.43,1579 U1.27@3925,1589.57 ; U1.27 U1.27@3925,1589.57 ; R8.3 3925,1594.73 U1.27@3925,1589.57
RS: LCD1.4 R8.4 U1.26 | length 2164.1
  Top Layer w10: LCD1.4 2420,1515.17 2490.36,1444.81 3906.54,1444.81 4009.27,1547.54 4009.27,1579 4014.43,1579 U1.26@4025,1589.57 ; U1.26 U1.26@4025,1589.57 ; R8.4 4025,1594.73 U1.26@4025,1589.57
USB+: C3.2 IC2.5 J1.2 J1.11 S1.2 USB1.1 | length 2525.4
  Top Layer w20: IC2.5 6095,1530 6075,1550 6075,1598.28 6086.72,1610 C3.2 6170.97,1615.97 6170.97,1660.97 6200,1690 v1(6430,1690) ; v1@6420,1685 6420.2,1684.8 6420.2,1680.2 6388.77,1648.77 6360.49,1648.77 6325,1613.28 6325,1366.75 6393.46,1298.28 6553.28,1298.28 6610,1355 6630,1355 ; J1.2 6534.57,1760.43 v1(6530,1765) 6445,1765 6410,1800 6410,1910 6449.41,1949.41 J1.11 ; USB1.1@6664.33,1375 6644.33,1355 6630,1355 ; S1.2 6630,1039.96 6630,1355
  Bottom Layer w20: v1(6430,1690) 6499.26,1759.26 6524.26,1759.26 v1(6530,1765)
pads on no net: IC1.6 IC1.9 IC2.4 J1.0 J1.3 J1.9 J1.13 K1.3 K1.4 M1.6 RP1.1 RP2.1 S1.1 SW2.0 U1.29 USB1.4

## Polygon pours and split planes (outlines as drawn)
GND on Bottom Layer "GND_L02_P001" (solid, pour order 1): 1435,2495 6910,2495 6910,0 1440,0
GND on Top Layer "GND_L01_P000" (solid, pour order 0): 1435,2495 6910,2495 6910,0 1440,0

## Keep-outs
Keep-Out Layer:
  circle w10: c1891.61,1875.71 r60
  circle w10: c4868.01,1875.71 r60
  circle w10: c4868.01,631.61 r60
  circle w10: c1891.61,631.61 r60
  circle w10: c6790,120 r60
  circle w10: c6790,2375 r60
  circle w10: c120,2375 r60
  circle w10: c120,120 r60
  lines w10: 0,120 ccw(c120,120) 120,0 6790,0 ccw(c6790,120) 6910,120 6910,2375 ccw(c6790,2375) 6790,2495 120,2495 ccw(c120,2375) 0,2375 0,120

## Other copper
Top Layer:
  pour cut-out: 4125,960 4140,945 4140,780 4150,780 4335,595 4345,605 4720,605 4720,1025 4710,1035 4700,1025 4120,1025
Bottom Layer:
  pour cut-out: 4155,1015 4155,655 4200,610 4215,625 4765,625 4765,985 4725,1025 4720,1020 4165,1020

## Silkscreen, mask and mechanical layers (free items; w line width, h text height)
Top Overlay:
  text "GND" at 3130,2395 h60
  text "+5" at 3955,2375 h60
  text "+5" at 1680,85 h60
  text "GND" at 2440,80 h60
Mechanical 1:
  circle w10: c4867.95,1875.74 r60
  circle w10: c4868.07,631.55 r60
  circle w10: c1891.59,631.68 r60
  circle w10: c1891.95,1875.62 r60
  circle w10: c120,120 r60
  circle w10: c6790,120 r60
  circle w10: c6790,2375 r60
  circle w10: c120,2375 r60
  lines w6: 1060,627.73 1056.59,624.32 1056.59,591.45 1060.98,587.05 1314.96,587.05 1385.04,657.14 1385.04,807.44 1315.37,877.11 1062.27,877.11 1060,874.83 1060,840 1061.59,838.41 1290.59,838.41 1344.5,784.5 1344.5,680 1292.25,627.75 1061.73,627.75 ; 1055,1538.96 1055,1570 1060,1575 1295,1575 1345,1625 1345,1735 1295,1785 1065,1785 1060,1790 1060,1820 1065,1825 1315,1825 1385,1755 1385,1605 1315,1535 1058.96,1535 1055,1538.96
  lines w10: 0,120 ccw(c120,120) 120,0 6790,0 ccw(c6790,120) 6910,120 6910,2375 ccw(c6790,2375) 6790,2495 120,2495 ccw(c120,2375) 0,2375 0,120

## Text inside footprints (layer, text, board x,y; h text height)
USB1: Top Overlay "USB" at 6815.83,1370 h40 r90